# Altium PCB thermal_cam_sensor_jlc.PcbDoc (part 4 of 5) (continued)
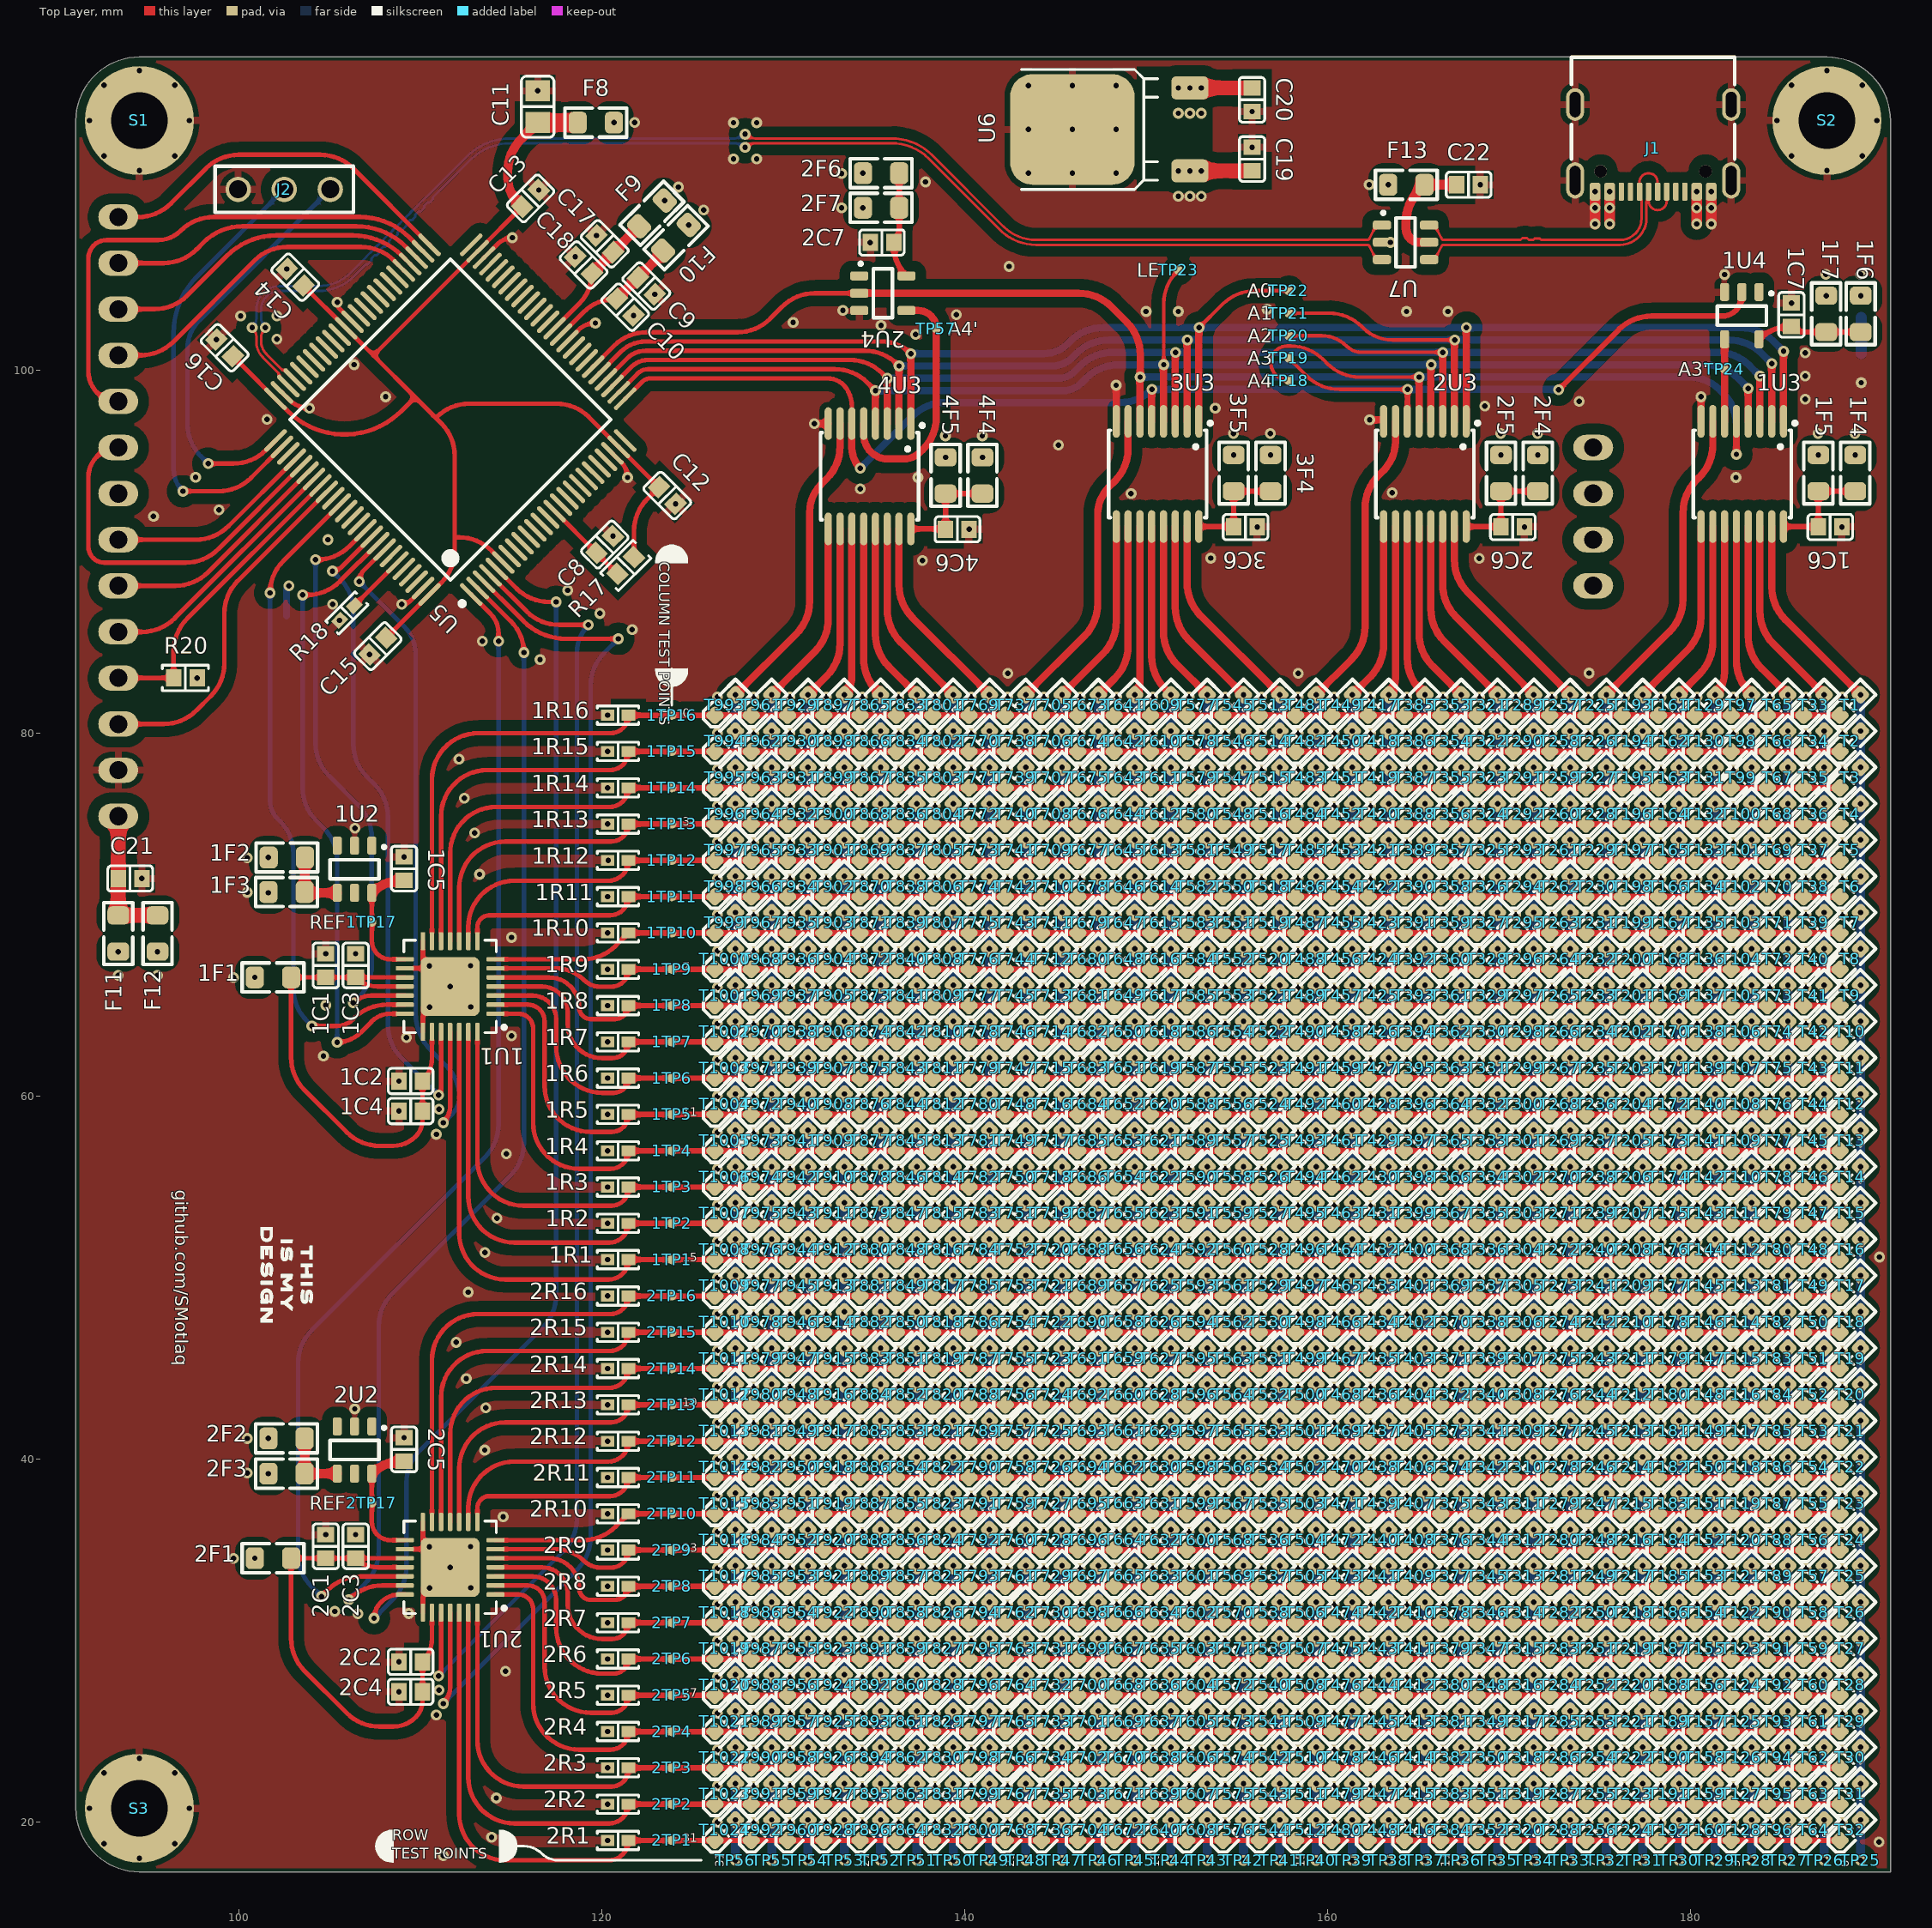
[diagram p0: Top Layer view]
## Nets (pads, with @x,y where several pads share a name; then routed paths per layer and width w, separated by ;. In a path a pad name is that pad's centre, name@x,y a point inside that pad or via, vN(x,y) a via of type N, cw(c..) or ccw(c..) an arc to the next point about the centre after c; other vN are vias at no path point) (continued)
  other v1: 111.252,18.161 190.373,18.923 120.312,19.002 113.919,19.177 126.357,20.006 128.357,20.006 130.357,20.006 132.357,20.006 134.357,20.006 136.357,20.006 138.357,20.006 140.357,20.006 142.357,20.006 144.357,20.006 146.357,20.006 148.357,20.006 150.357,20.006 152.357,20.006 154.357,20.006 156.357,20.006 158.357,20.006 160.357,20.006 162.357,20.006 164.357,20.006 166.357,20.006 168.357,20.006 170.357,20.006 172.357,20.006 174.357,20.006 176.357,20.006 178.357,20.006 180.357,20.006 182.357,20.006 184.357,20.006 186.357,20.006 188.357,20.006 120.312,21.002 114.173,21.336 126.357,22.006 128.357,22.006 130.357,22.006 132.357,22.006 134.357,22.006 136.357,22.006 138.357,22.006 140.357,22.006 142.357,22.006 144.357,22.006 146.357,22.006 148.357,22.006 150.357,22.006 152.357,22.006 154.357,22.006 156.357,22.006 158.357,22.006 160.357,22.006 162.357,22.006 164.357,22.006 166.357,22.006 168.357,22.006 170.357,22.006 172.357,22.006 174.357,22.006 176.357,22.006 178.357,22.006 180.357,22.006 182.357,22.006 184.357,22.006 186.357,22.006 188.357,22.006 120.312,23.002 126.357,24.006 128.357,24.006 130.357,24.006 132.357,24.006 134.357,24.006 136.357,24.006 138.357,24.006 140.357,24.006 142.357,24.006 144.357,24.006 146.357,24.006 148.357,24.006 150.357,24.006 152.357,24.006 154.357,24.006 156.357,24.006 158.357,24.006 160.357,24.006 162.357,24.006 164.357,24.006 166.357,24.006 168.357,24.006 170.357,24.006 172.357,24.006 174.357,24.006 176.357,24.006 178.357,24.006 180.357,24.006 182.357,24.006 184.357,24.006 186.357,24.006 188.357,24.006 120.312,25.002 110.871,25.908 126.357,26.006 128.357,26.006 130.357,26.006 132.357,26.006 134.357,26.006 136.357,26.006 138.357,26.006 140.357,26.006 142.357,26.006 144.357,26.006 146.357,26.006 148.357,26.006 150.357,26.006 152.357,26.006 154.357,26.006 156.357,26.006 158.357,26.006 160.357,26.006 162.357,26.006 164.357,26.006 166.357,26.006 168.357,26.006 170.357,26.006 172.357,26.006 174.357,26.006 176.357,26.006 178.357,26.006 180.357,26.006 182.357,26.006 184.357,26.006 186.357,26.006 188.357,26.006 120.312,27.002 108.809,27.19 111.025,27.285 126.357,28.006 128.357,28.006 130.357,28.006 132.357,28.006 134.357,28.006 136.357,28.006 138.357,28.006 140.357,28.006 142.357,28.006 144.357,28.006 146.357,28.006 148.357,28.006 150.357,28.006 152.357,28.006 154.357,28.006 156.357,28.006 158.357,28.006 160.357,28.006 162.357,28.006 164.357,28.006 166.357,28.006 168.357,28.006 170.357,28.006 172.357,28.006 174.357,28.006 176.357,28.006 178.357,28.006 180.357,28.006 182.357,28.006 184.357,28.006 186.357,28.006 188.357,28.006 114.681,28.321 108.809,28.841 120.312,29.002 126.357,30.006 128.357,30.006 130.357,30.006 132.357,30.006 134.357,30.006 136.357,30.006 138.357,30.006 140.357,30.006 142.357,30.006 144.357,30.006 146.357,30.006 148.357,30.006 150.357,30.006 152.357,30.006 154.357,30.006 156.357,30.006 158.357,30.006 160.357,30.006 162.357,30.006 164.357,30.006 166.357,30.006 168.357,30.006 170.357,30.006 172.357,30.006 174.357,30.006 176.357,30.006 178.357,30.006 180.357,30.006 182.357,30.006 184.357,30.006 186.357,30.006 188.357,30.006 120.312,31.002 106.553,31.496 109.351,31.505 105.283,31.623 126.357,32.006 128.357,32.006 130.357,32.006 132.357,32.006 134.357,32.006 136.357,32.006 138.357,32.006 140.357,32.006 142.357,32.006 144.357,32.006 146.357,32.006 148.357,32.006 150.357,32.006 152.357,32.006 154.357,32.006 156.357,32.006 158.357,32.006 160.357,32.006 162.357,32.006 164.357,32.006 166.357,32.006 168.357,32.006 170.357,32.006 172.357,32.006 174.357,32.006 176.357,32.006 178.357,32.006 180.357,32.006 182.357,32.006 184.357,32.006 186.357,32.006 188.357,32.006 110.506,32.909 112.776,32.924 120.312,33.002 126.357,34.006 128.357,34.006 130.357,34.006 132.357,34.006 134.357,34.006 136.357,34.006 138.357,34.006 140.357,34.006 142.357,34.006 144.357,34.006 146.357,34.006 148.357,34.006 150.357,34.006 152.357,34.006 154.357,34.006 156.357,34.006 158.357,34.006 160.357,34.006 162.357,34.006 164.357,34.006 166.357,34.006 168.357,34.006 170.357,34.006 172.357,34.006 174.357,34.006 176.357,34.006 178.357,34.006 180.357,34.006 182.357,34.006 184.357,34.006 186.357,34.006 188.357,34.006 111.633,34.052 99.695,34.544 120.312,35.002 110.49,35.179 112.76,35.195 104.775,35.856 106.426,35.856 126.357,36.006 128.357,36.006 130.357,36.006 132.357,36.006 134.357,36.006 136.357,36.006 138.357,36.006 140.357,36.006 142.357,36.006 144.357,36.006 146.357,36.006 148.357,36.006 150.357,36.006 152.357,36.006 154.357,36.006 156.357,36.006 158.357,36.006 160.357,36.006 162.357,36.006 164.357,36.006 166.357,36.006 168.357,36.006 170.357,36.006 172.357,36.006 174.357,36.006 176.357,36.006 178.357,36.006 180.357,36.006 182.357,36.006 184.357,36.006 186.357,36.006 188.357,36.006 114.554,36.83 120.312,37.002 126.357,38.006 128.357,38.006 130.357,38.006 132.357,38.006 134.357,38.006 136.357,38.006 138.357,38.006 140.357,38.006 142.357,38.006 144.357,38.006 146.357,38.006 148.357,38.006 150.357,38.006 152.357,38.006 154.357,38.006 156.357,38.006 158.357,38.006 160.357,38.006 162.357,38.006 164.357,38.006 166.357,38.006 168.357,38.006 170.357,38.006 172.357,38.006 174.357,38.006 176.357,38.006 178.357,38.006 180.357,38.006 182.357,38.006 184.357,38.006 186.357,38.006 188.357,38.006 120.312,39.002 100.457,39.243 126.357,40.006 128.357,40.006 130.357,40.006 132.357,40.006 134.357,40.006 136.357,40.006 138.357,40.006 140.357,40.006 142.357,40.006 144.357,40.006 146.357,40.006 148.357,40.006 150.357,40.006 152.357,40.006 154.357,40.006 156.357,40.006 158.357,40.006 160.357,40.006 162.357,40.006 164.357,40.006 166.357,40.006 168.357,40.006 170.357,40.006 172.357,40.006 174.357,40.006 176.357,40.006 178.357,40.006 180.357,40.006 182.357,40.006 184.357,40.006 186.357,40.006 188.357,40.006 113.538,40.513 120.312,41.002 100.457,41.148 109.093,41.194 126.357,42.006 128.357,42.006 130.357,42.006 132.357,42.006 134.357,42.006 136.357,42.006 138.357,42.006 140.357,42.006 142.357,42.006 144.357,42.006 146.357,42.006 148.357,42.006 150.357,42.006 152.357,42.006 154.357,42.006 156.357,42.006 158.357,42.006 160.357,42.006 162.357,42.006 164.357,42.006 166.357,42.006 168.357,42.006 170.357,42.006 172.357,42.006 174.357,42.006 176.357,42.006 178.357,42.006 180.357,42.006 182.357,42.006 184.357,42.006 186.357,42.006 188.357,42.006 106.372,42.78 113.59,42.842 120.312,43.002 126.357,44.006 128.357,44.006 130.357,44.006 132.357,44.006 134.357,44.006 136.357,44.006 138.357,44.006 140.357,44.006 142.357,44.006 144.357,44.006 146.357,44.006 148.357,44.006 150.357,44.006 152.357,44.006 154.357,44.006 156.357,44.006 158.357,44.006 160.357,44.006 162.357,44.006 164.357,44.006 166.357,44.006 168.357,44.006 170.357,44.006 172.357,44.006 174.357,44.006 176.357,44.006 178.357,44.006 180.357,44.006 182.357,44.006 184.357,44.006 186.357,44.006 188.357,44.006 112.522,44.45 120.312,45.002 126.357,46.006 128.357,46.006 130.357,46.006 132.357,46.006 134.357,46.006 136.357,46.006 138.357,46.006 140.357,46.006 142.357,46.006 144.357,46.006 146.357,46.006 148.357,46.006 150.357,46.006 152.357,46.006 154.357,46.006 156.357,46.006 158.357,46.006 160.357,46.006 162.357,46.006 164.357,46.006 166.357,46.006 168.357,46.006 170.357,46.006 172.357,46.006 174.357,46.006 176.357,46.006 178.357,46.006 180.357,46.006 182.357,46.006 184.357,46.006 186.357,46.006 188.357,46.006 111.96,46.449 120.312,47.002 126.357,48.006 128.357,48.006 130.357,48.006 132.357,48.006 134.357,48.006 136.357,48.006 138.357,48.006 140.357,48.006 142.357,48.006 144.357,48.006 146.357,48.006 148.357,48.006 150.357,48.006 152.357,48.006 154.357,48.006 156.357,48.006 158.357,48.006 160.357,48.006 162.357,48.006 164.357,48.006 166.357,48.006 168.357,48.006 170.357,48.006 172.357,48.006 174.357,48.006 176.357,48.006 178.357,48.006 180.357,48.006 182.357,48.006 184.357,48.006 186.357,48.006 188.357,48.006 120.312,49.002 112.621,49.213 126.357,50.006 128.357,50.006 130.357,50.006 132.357,50.006 134.357,50.006 136.357,50.006 138.357,50.006 140.357,50.006 142.357,50.006 144.357,50.006 146.357,50.006 148.357,50.006 150.357,50.006 152.357,50.006 154.357,50.006 156.357,50.006 158.357,50.006 160.357,50.006 162.357,50.006 164.357,50.006 166.357,50.006 168.357,50.006 170.357,50.006 172.357,50.006 174.357,50.006 176.357,50.006 178.357,50.006 180.357,50.006 182.357,50.006 184.357,50.006 186.357,50.006 188.357,50.006 120.312,51.006 190.406,51.151 113.546,51.396 126.357,52.01 128.357,52.01 130.357,52.01 132.357,52.01 134.357,52.01 136.357,52.01 138.357,52.01 140.357,52.01 142.357,52.01 144.357,52.01 146.357,52.01 148.357,52.01 150.357,52.01 152.357,52.01 154.357,52.01 156.357,52.01 158.357,52.01 160.357,52.01 162.357,52.01 164.357,52.01 166.357,52.01 168.357,52.01 170.357,52.01 172.357,52.01 174.357,52.01 176.357,52.01 178.357,52.01 180.357,52.01 182.357,52.01 184.357,52.01 186.357,52.01 188.357,52.01 120.312,53.006 114.216,53.284 126.357,54.01 128.357,54.01 130.357,54.01 132.357,54.01 134.357,54.01 136.357,54.01 138.357,54.01 140.357,54.01 142.357,54.01 144.357,54.01 146.357,54.01 148.357,54.01 150.357,54.01 152.357,54.01 154.357,54.01 156.357,54.01 158.357,54.01 160.357,54.01 162.357,54.01 164.357,54.01 166.357,54.01 168.357,54.01 170.357,54.01 172.357,54.01 174.357,54.01 176.357,54.01 178.357,54.01 180.357,54.01 182.357,54.01 184.357,54.01 186.357,54.01 188.357,54.01 120.312,55.006 126.357,56.01 128.357,56.01 130.357,56.01 132.357,56.01 134.357,56.01 136.357,56.01 138.357,56.01 140.357,56.01 142.357,56.01 144.357,56.01 146.357,56.01 148.357,56.01 150.357,56.01 152.357,56.01 154.357,56.01 156.357,56.01 158.357,56.01 160.357,56.01 162.357,56.01 164.357,56.01 166.357,56.01 168.357,56.01 170.357,56.01 172.357,56.01 174.357,56.01 176.357,56.01 178.357,56.01 180.357,56.01 182.357,56.01 184.357,56.01 186.357,56.01 188.357,56.01 114.727,56.836 120.312,57.006 110.871,57.912 126.357,58.01 128.357,58.01 130.357,58.01 132.357,58.01 134.357,58.01 136.357,58.01 138.357,58.01 140.357,58.01 142.357,58.01 144.357,58.01 146.357,58.01 148.357,58.01 150.357,58.01 152.357,58.01 154.357,58.01 156.357,58.01 158.357,58.01 160.357,58.01 162.357,58.01 164.357,58.01 166.357,58.01 168.357,58.01 170.357,58.01 172.357,58.01 174.357,58.01 176.357,58.01 178.357,58.01 180.357,58.01 182.357,58.01 184.357,58.01 186.357,58.01 188.357,58.01 120.312,59.006 108.809,59.194 111.025,59.289 126.357,60.01 128.357,60.01 130.357,60.01 132.357,60.01 134.357,60.01 136.357,60.01 138.357,60.01 140.357,60.01 142.357,60.01 144.357,60.01 146.357,60.01 148.357,60.01 150.357,60.01 152.357,60.01 154.357,60.01 156.357,60.01 158.357,60.01 160.357,60.01 162.357,60.01 164.357,60.01 166.357,60.01 168.357,60.01 170.357,60.01 172.357,60.01 174.357,60.01 176.357,60.01 178.357,60.01 180.357,60.01 182.357,60.01 184.357,60.01 186.357,60.01 188.357,60.01 108.809,60.845 120.312,61.006 126.357,62.01 128.357,62.01 130.357,62.01 132.357,62.01 134.357,62.01 136.357,62.01 138.357,62.01 140.357,62.01 142.357,62.01 144.357,62.01 146.357,62.01 148.357,62.01 150.357,62.01 152.357,62.01 154.357,62.01 156.357,62.01 158.357,62.01 160.357,62.01 162.357,62.01 164.357,62.01 166.357,62.01 168.357,62.01 170.357,62.01 172.357,62.01 174.357,62.01 176.357,62.01 178.357,62.01 180.357,62.01 182.357,62.01 184.357,62.01 186.357,62.01 188.357,62.01 104.648,62.23 120.312,63.006 109.22,63.246 115.02,63.335 126.357,64.01 128.357,64.01 130.357,64.01 132.357,64.01 134.357,64.01 136.357,64.01 138.357,64.01 140.357,64.01 142.357,64.01 144.357,64.01 146.357,64.01 148.357,64.01 150.357,64.01 152.357,64.01 154.357,64.01 156.357,64.01 158.357,64.01 160.357,64.01 162.357,64.01 164.357,64.01 166.357,64.01 168.357,64.01 170.357,64.01 172.357,64.01 174.357,64.01 176.357,64.01 178.357,64.01 180.357,64.01 182.357,64.01 184.357,64.01 186.357,64.01 188.357,64.01 112.776,64.928 120.312,65.006 104.775,65.024 126.357,66.01 128.357,66.01 130.357,66.01 132.357,66.01 134.357,66.01 136.357,66.01 138.357,66.01 140.357,66.01 142.357,66.01 144.357,66.01 146.357,66.01 148.357,66.01 150.357,66.01 152.357,66.01 154.357,66.01 156.357,66.01 158.357,66.01 160.357,66.01 162.357,66.01 164.357,66.01 166.357,66.01 168.357,66.01 170.357,66.01 172.357,66.01 174.357,66.01 176.357,66.01 178.357,66.01 180.357,66.01 182.357,66.01 184.357,66.01 186.357,66.01 188.357,66.01 111.633,66.056 99.695,66.548 93.345,66.675 95.504,66.675 120.312,67.006 112.76,67.199 104.775,67.86 106.426,67.86 126.357,68.01 128.357,68.01 130.357,68.01 132.357,68.01 134.357,68.01 136.357,68.01 138.357,68.01 140.357,68.01 142.357,68.01 144.357,68.01 146.357,68.01 148.357,68.01 150.357,68.01 152.357,68.01 154.357,68.01 156.357,68.01 158.357,68.01 160.357,68.01 162.357,68.01 164.357,68.01 166.357,68.01 168.357,68.01 170.357,68.01 172.357,68.01 174.357,68.01 176.357,68.01 178.357,68.01 180.357,68.01 182.357,68.01 184.357,68.01 186.357,68.01 188.357,68.01 115.017,68.76 120.312,69.006 126.357,70.01 128.357,70.01 130.357,70.01 132.357,70.01 134.357,70.01 136.357,70.01 138.357,70.01 140.357,70.01 142.357,70.01 144.357,70.01 146.357,70.01 148.357,70.01 150.357,70.01 152.357,70.01 154.357,70.01 156.357,70.01 158.357,70.01 160.357,70.01 162.357,70.01 164.357,70.01 166.357,70.01 168.357,70.01 170.357,70.01 172.357,70.01 174.357,70.01 176.357,70.01 178.357,70.01 180.357,70.01 182.357,70.01 184.357,70.01 186.357,70.01 188.357,70.01 120.312,71.006 100.457,71.247 94.645,72.009 126.357,72.01 128.357,72.01 130.357,72.01 132.357,72.01 134.357,72.01 136.357,72.01 138.357,72.01 140.357,72.01 142.357,72.01 144.357,72.01 146.357,72.01 148.357,72.01 150.357,72.01 152.357,72.01 154.357,72.01 156.357,72.01 158.357,72.01 160.357,72.01 162.357,72.01 164.357,72.01 166.357,72.01 168.357,72.01 170.357,72.01 172.357,72.01 174.357,72.01 176.357,72.01 178.357,72.01 180.357,72.01 182.357,72.01 184.357,72.01 186.357,72.01 188.357,72.01 113.254,72.233 120.346,73.002 100.457,73.152 109.093,73.198 126.357,74.01 128.357,74.01 130.357,74.01 132.357,74.01 134.357,74.01 136.357,74.01 138.357,74.01 140.357,74.01 142.357,74.01 144.357,74.01 146.357,74.01 148.357,74.01 150.357,74.01 152.357,74.01 154.357,74.01 156.357,74.01 158.357,74.01 160.357,74.01 162.357,74.01 164.357,74.01 166.357,74.01 168.357,74.01 170.357,74.01 172.357,74.01 174.357,74.01 176.357,74.01 178.357,74.01 180.357,74.01 182.357,74.01 184.357,74.01 186.357,74.01 188.357,74.01 112.982,74.524 106.38,74.778 120.312,75.006 126.357,76.01 128.357,76.01 130.357,76.01 132.357,76.01 134.357,76.01 136.357,76.01 138.357,76.01 140.357,76.01 142.357,76.01 144.357,76.01 146.357,76.01 148.357,76.01 150.357,76.01 152.357,76.01 154.357,76.01 156.357,76.01 158.357,76.01 160.357,76.01 162.357,76.01 164.357,76.01 166.357,76.01 168.357,76.01 170.357,76.01 172.357,76.01 174.357,76.01 176.357,76.01 178.357,76.01 180.357,76.01 182.357,76.01 184.357,76.01 186.357,76.01 188.357,76.01 112.41,76.438 120.312,77.006 126.357,78.01 128.357,78.01 130.357,78.01 132.357,78.01 134.357,78.01 136.357,78.01 138.357,78.01 140.357,78.01 142.357,78.01 144.357,78.01 146.357,78.01 148.357,78.01 150.357,78.01 152.357,78.01 154.357,78.01 156.357,78.01 158.357,78.01 160.357,78.01 162.357,78.01 164.357,78.01 166.357,78.01 168.357,78.01 170.357,78.01 172.357,78.01 174.357,78.01 176.357,78.01 178.357,78.01 180.357,78.01 182.357,78.01 184.357,78.01 186.357,78.01 188.357,78.01 112.123,78.578 120.312,79.006 126.357,80.01 128.357,80.01 130.357,80.01 132.357,80.01 134.357,80.01 136.357,80.01 138.357,80.01 140.357,80.01 142.357,80.01 144.357,80.01 146.357,80.01 148.357,80.01 150.357,80.01 152.357,80.01 154.357,80.01 156.357,80.01 158.357,80.01 160.357,80.01 162.357,80.01 164.357,80.01 166.357,80.01 168.357,80.01 170.357,80.01 172.357,80.01 174.357,80.01 176.357,80.01 178.357,80.01 180.357,80.01 182.357,80.01 184.357,80.01 186.357,80.01 188.357,80.01 120.312,81.006 126.357,82.01 128.357,82.01 130.357,82.01 132.357,82.01 134.357,82.01 136.357,82.01 138.357,82.01 140.357,82.01 142.357,82.01 144.357,82.01 146.357,82.01 148.357,82.01 150.357,82.01 152.357,82.01 154.357,82.01 156.357,82.01 158.357,82.01 160.357,82.01 162.357,82.01 164.357,82.01 166.357,82.01 168.357,82.01 170.357,82.01 172.357,82.01 174.357,82.01 176.357,82.01 178.357,82.01 180.357,82.01 182.357,82.01 184.357,82.01 186.357,82.01 188.357,82.01 142.367,83.312 158.369,83.312 174.394,83.323 116.586,84.074 107.19,84.351 113.411,85.09 121.666,85.725 105.537,86.233 119.888,86.614 105.156,87.122 118.11,87.884 137.668,89.535 168.354,89.643 153.543,89.662 104.902,90.678 120.61,90.872 140.238,91.25 156.113,91.377 170.845,91.377 188.335,91.377 95.284,91.964 98.888,92.321 124.061,92.654 149.16,93.215 163.542,93.261 134.239,93.472 97.603,94.108 137.414,94.107 182.499,94.107 145.161,95.885 138.926,96.393 140.958,96.393 154.801,96.52 156.833,96.52 169.533,96.52 171.565,96.52 187.023,96.52 189.055,96.52 101.545,97.305 153.797,97.917 168.656,98.044 173.863,98.298 186.309,98.425 108.077,98.552 189.4,99.329 186.309,99.695 106.335,100.318 186.309,100.965 98.745,101.706 102.085,101.726 137.287,101.981 135.382,102.489 130.536,102.647 100.086,102.998 102.085,102.998 121.739,103.033 139.531,103.082 149.987,103.251 151.765,103.251 164.338,103.251 166.624,103.251 133.279,103.307 156.656,103.371 185.552,103.718 122.907,104.201 181.864,105.283 187.455,105.295 189.36,105.295 102.634,105.595 142.432,105.735 118.526,106.269 134.784,107.051 163.449,107.061 119.693,107.436 125.603,108.839 133.207,108.954 174.731,108.966 181.131,108.966 151.765,109.601 152.4,109.601 153.035,109.601 116.52,109.944 124.206,110.109 162.282,110.236 168.408,110.236 137.824,110.395 133.207,110.859 143.51,110.871 145.923,110.871 148.336,110.871 127.253,111.656 128.525,111.656 155.829,112.298 143.51,113.284 145.923,113.284 148.336,113.284 121.799,113.661 127.253,113.655 128.525,113.655 151.765,114.173 152.4,114.173 153.035,114.173 155.829,114.27 116.459,115.415 143.51,115.697 145.923,115.697 148.336,115.697
  other v2: 94.508,18.022 92.563,18.827 96.453,18.827 91.758,20.772 97.258,20.772 92.563,22.717 96.453,22.717 94.508,23.522 94.508,111.022 187.508,111.022 92.563,111.827 96.453,111.827 185.563,111.827 189.453,111.827 91.758,113.772 97.258,113.772 184.758,113.772 190.258,113.772 92.563,115.717 96.453,115.717 185.563,115.717 189.453,115.717 94.508,116.522 187.508,116.522
LE: 1U3.4 2U3.4 3U3.4 4U3.4 TP23.0 U5.27 | length 79.3
  Top Layer w0.2: v1(150.963,100.319) 150.963,103.683 cw(c153.503,103.683) 151.707,105.479 TP23.0@151.765,105.537
  Top Layer w0.25: U5.27@120.926,98.794 121.963,99.831 cw(c122.555,99.239) 122.555,100.076 132.831,100.076 cw(c132.831,97.536) 134.627,99.332 v1(135.072,98.887)
  Top Layer w0.4: 4U3.4@135.072,97.071 v1(135.072,98.887) ; 3U3.4@150.947,97.198 150.947,100.28 cw(c151.002,100.28) v1(150.963,100.319) ; 2U3.4@165.679,97.198 165.679,100.28 cw(c165.734,100.28) v1(165.695,100.319) ; 1U3.4@183.169,97.198 v1(183.169,99.014)
  Bottom Layer w0.4: v1(135.072,98.887) 145.4,98.887 ccw(c145.4,100.345) 146.431,99.314 146.692,99.575 cw(c148.488,97.779) 148.488,100.319 v1(150.963,100.319) v1(165.695,100.319) 180.812,100.319 cw(c180.812,97.779) 182.608,99.575 v1(183.169,99.014)
MISO1: 1U1.24 U5.91 | length 37.3
  Top Layer w0.25: v1(105.145,88.946) ccw(c105.145,89.613) 105.617,89.141 U5.91@107.314,90.838 ; v1(110.998,60.071) ccw(c110.672,60.397) 111.133,60.397 1U1.24@111.133,63.556
  Bottom Layer w0.25: v1(105.145,88.946) 105.555,88.535 cw(c103.759,86.739) 106.299,86.739 106.299,79.411 ccw(c108.839,79.411) 107.043,77.615 107.46,77.198 cw(c105.664,75.402) 108.204,75.402 108.204,63.917 ccw(c110.744,63.917) 108.948,62.121 v1(110.998,60.071)
MISO2: LCD1.13 U5.53 | length 17.6
  Top Layer w0.25: LCD1.13@93.345,105.918 95.849,105.918 ccw(c95.849,108.458) 97.645,106.662 98.044,107.061 cw(c100.19,104.915) 100.19,107.95 106.467,107.95 cw(c106.466,104.109) 109.182,106.825 U5.53@109.789,106.218
MISO3: LCD1.9 U5.80 | length 20.7
  Top Layer w0.25: LCD1.9@93.345,95.758 ccw(c93.345,94.107) 91.694,94.107 91.694,90.297 ccw(c92.583,90.297) 92.583,89.408 97.053,89.408 ccw(c97.053,91.948) 98.849,90.152 U5.80@103.425,94.727
MISO4: 2U1.24 U5.4 | length 71.1
  Top Layer w0.25: v1(110.998,28.067) ccw(c110.672,28.393) 111.133,28.393 2U1.24@111.133,31.552 ; U5.4@113.855,88.717 115.849,86.723 ccw(c117.645,88.519) 117.645,85.979 v1(119.253,85.979)
  Bottom Layer w0.25: v1(110.998,28.067) 117.874,34.943 ccw(c116.078,36.739) 118.618,36.739 118.618,84.446 cw(c120.786,84.446) v1(119.253,85.979)
MOSI1: 1U1.21 U5.92 | length 34.7
  Top Layer w0.25: v1(103.505,87.63) 103.761,87.63 ccw(c103.761,90.17) 105.557,88.374 U5.92@107.667,90.485 ; v1(105.404,62.983) ccw(c105.404,64.815) 106.7,63.52 107.315,64.135 cw(c108.331,63.119) 108.331,64.556 1U1.21@109.133,64.556
  Bottom Layer w0.25: v1(103.505,87.63) 103.505,76.998 ccw(c106.045,76.998) 104.249,75.202 104.66,74.791 cw(c102.864,72.995) 105.404,72.995 v1(105.404,62.983)
MOSI2: LCD1.12 U5.54 | length 18
  Top Layer w0.25: LCD1.12@93.345,103.378 95.341,103.378 ccw(c95.341,105.918) 97.137,104.122 99.332,106.317 cw(c102.048,103.601) 102.048,107.442 106.268,107.442 cw(c106.267,103.601) 108.983,106.317 U5.54@109.435,105.865
MOSI3: LCD1.6 U5.81 | length 12.9
  Top Layer w0.25: LCD1.6@93.345,88.138 96.49,88.138 ccw(c96.49,90.678) 98.286,88.882 U5.81@103.778,94.374
MOSI4: 2U1.21 U5.5 | length 66.2
  Top Layer w0.25: v1(107.442,31.242) cw(c108.668,31.242) 107.801,32.109 107.823,32.131 cw(c108.839,31.115) 108.839,32.552 2U1.21@109.133,32.552 ; U5.5@114.209,89.07 115.286,87.993 ccw(c117.082,89.789) 117.082,87.249 v1(117.475,87.249)
  Bottom Layer w0.25: v1(107.442,31.242) 108.476,32.276 ccw(c106.68,34.072) 109.22,34.072 109.22,38.699 cw(c111.76,38.699) 109.964,40.495 116.731,47.262 ccw(c114.935,49.058) 117.475,49.058 v1(117.475,87.249)
Net1C6_2: 1C6.2 1F4.2 1F5.2 1U3.16 | length 5.9
  Top Layer w0.3: 1U3.16@185.119,91.398 187.014,91.398 cw(c187.014,91.377) 1C6.2@187.035,91.377 1F5.2@187.035,93.345 1F4.2@189.067,93.345
Net1C7_2: 1C7.2 1F6.2 1F7.2 1U4.5 | length 5.9
  Top Layer w0.3: 1U4.5@183.769,101.723 cw(c185.447,100.045) 185.447,102.418 1C7.2@185.552,102.418 ccw(c186.271,103.137) 186.271,102.12 1F7.2@187.467,102.12 1F6.2@189.372,102.12
Net1F2_1: 1F2.1 1F3.1 1U2.4 | length 3.7
  Top Layer w0.5: 1F2.1@103.616,73.164 103.616,71.218 1U2.4@105.415,71.218
Net1U1_20: 1U1.20 U5.86 | length 36.3
  Top Layer w0.25: v1(101.706,87.746) cw(c104.168,87.746) 102.427,89.487 U5.86@105.546,92.606 ; v1(104.013,63.881) 105.379,63.881 ccw(c105.379,65.182) 106.299,64.262 106.349,64.312 cw(c108.145,62.516) 108.145,65.056 1U1.20@109.133,65.056
  Bottom Layer w0.25: v1(101.706,87.746) 101.706,76.281 ccw(c103.078,76.281) 102.108,75.311 102.253,75.166 cw(c100.457,73.37) 102.997,73.37 102.997,65.949 ccw(c105.537,65.949) 103.741,64.153 v1(104.013,63.881)
Net1U1_25: 1U1.25 U5.93 | length 39.5
  Top Layer w0.25: v1(106.62,88.372) cw(c107.485,88.372) 106.874,88.984 U5.93@108.021,90.131 ; v1(111.252,58.547) ccw(c110.332,59.467) 111.633,59.467 1U1.25@111.633,63.556
  Bottom Layer w0.25: v1(106.62,88.372) 109.111,85.881 cw(c107.622,84.391) 109.728,84.391 109.728,64.605 ; 109.728,64.604 ccw(c112.702,64.605) 110.599,62.502 111.423,61.678 cw(c109.688,59.944) 112.141,59.944 cw(c110.915,59.944) 111.782,59.077 v1(111.252,58.547)
Net2C6_2: 2C6.2 2F4.2 2F5.2 2U3.16 | length 5.9
  Top Layer w0.3: 2U3.16@167.629,91.398 169.494,91.398 cw(c169.494,91.326) 2C6.2@169.545,91.377 2F5.2@169.545,93.345 2F4.2@171.577,93.345
Net2C7_2: 2C7.2 2F6.2 2F7.2 2U4.5 | length 5.9
  Top Layer w0.3: 2F6.2@136.382,110.871 2F7.2@136.382,108.966 136.382,107.77 cw(c135.365,107.77) 2C7.2@136.084,107.051 136.084,106.885 ccw(c138.457,106.885) 2U4.5@136.779,105.207
Net2F2_1: 2F2.1 2F3.1 2U2.4 | length 3.7
  Top Layer w0.5: 2F2.1@103.616,41.16 2F3.1@103.616,39.214 2U2.4@105.415,39.214
Net2U1_20: 2U1.20 U5.2 | length 63.7
  Top Layer w0.25: v1(106.045,32.258) 106.095,32.308 cw(c107.891,30.512) 107.891,33.052 2U1.20@109.133,33.052 ; U5.2@113.148,88.01 114.986,86.172 cw(c113.269,84.455) v1(115.697,84.455)
  Bottom Layer w0.25: v1(106.045,32.258) 106.952,33.165 ccw(c105.156,34.961) 107.696,34.961 107.696,47.335 cw(c110.236,47.335) 108.44,49.131 114.953,55.644 ccw(c113.157,57.44) 115.697,57.44 v1(115.697,84.455)
Net2U1_25: 2U1.25 U5.3 | length 76.1
  Top Layer w0.25: v1(111.252,26.543) ccw(c110.332,27.463) 111.633,27.463 2U1.25@111.633,31.552 ; U5.3@113.502,88.363 115.279,86.586 115.681,86.184 115.682,86.183 ccw(c118.014,88.514) 118.014,85.217 ; 118.015,85.217 118.585,85.217 v1(120.904,85.217)
  Bottom Layer w0.25: v1(111.252,26.543) 118.636,33.927 ccw(c116.84,35.723) 119.38,35.723 119.38,82.641 cw(c121.92,82.641) 120.124,84.437 v1(120.904,85.217)
Net3C6_2: 3C6.2 3F4.2 3F5.2 3U3.16 | length 5.9
  Top Layer w0.3: 3U3.16@152.897,91.398 154.762,91.398 cw(c154.762,91.326) 3C6.2@154.813,91.377 3F5.2@154.813,93.345 3F4.2@156.845,93.345
Net4C6_2: 4C6.2 4F4.2 4F5.2 4U3.16 | length 5.9
  Top Layer w0.3: 4U3.16@137.022,91.271 138.887,91.271 cw(c138.887,91.199) 4C6.2@138.938,91.25 4F5.2@138.938,93.218 4F4.2@140.97,93.218
NetLCD1_3: LCD1.3 U5.84 | length 19.3
  Top Layer w0.25: LCD1.3@93.345,80.518 95.849,80.518 ccw(c95.849,83.058) 97.645,81.262 98.443,82.06 ccw(c96.647,83.856) 99.187,83.856 99.187,86.609 cw(c101.727,86.609) 99.931,88.405 U5.84@104.839,93.313
NetLCD1_4: LCD1.4 R20.1 U5.83 | length 16.9
  Top Layer w0.25: LCD1.4@93.345,83.058 R20.1@96.393,83.058 96.393,84.522 cw(c98.933,84.522) 97.137,86.318 U5.83@104.485,93.667
NetLCD1_5: LCD1.5 U5.82 | length 14.2
  Top Layer w0.25: LCD1.5@93.345,85.598 94.658,85.598 ccw(c94.658,88.138) 96.454,86.342 U5.82@104.132,94.02
NetLCD1_11: LCD1.11 U5.55 | length 18.4
  Top Layer w0.25: LCD1.11@93.345,100.838 94.697,100.838 94.815,100.849 ccw(c94.579,103.378) 96.375,101.582 100.856,106.063 cw(c102.652,104.267) 102.652,106.807 106.734,106.807 cw(c106.734,104.267) 108.53,106.063 U5.55@109.082,105.511
NetLCD1_14: LCD1.14 U5.51 | length 20.3
  Top Layer w0.25: LCD1.14@93.345,108.458 94.452,108.458 ccw(c94.452,110.998) 96.248,109.202 98.189,111.143 cw(c99.985,109.347) 99.985,111.887 104.482,111.887 cw(c104.482,109.347) 106.278,111.143 U5.51@110.496,106.926
NetLED1_1: LED1.1 R19.2 | length 2
  Bottom Layer w0.6: LED1.1@189.4,100.929 R19.2@189.4,102.923
NetR18_1: R18.1 U5.95 | length 3.4
  Top Layer w0.25: R18.1@106.35,87.046 U5.95@108.728,89.424
NetTP24_0: 1U3.6 1U4.4 TP24.0 | length 4.5
  Top Layer w0.4: 1U3.6@181.869,97.198 1U4.4@181.869,101.723
NetTP57_0: 2U4.4 4U3.5 TP57.0 | length 13.9
  Top Layer w0.4: 4U3.5@134.422,97.071 134.422,96.464 ccw(c135.763,96.464) 135.763,95.123 136.621,95.123 ccw(c136.621,96.424) 137.541,95.504 137.686,95.649 ccw(c135.89,97.445) 138.43,97.445 TP57.0@138.43,102.303 ccw(c137.426,102.303) 137.426,103.307 2U4.4@136.779,103.307
nRST: C8.2 R17.1 U5.14 | length 4.9
  Top Layer w0.25: U5.14@117.391,92.252 C8.2@119.691,89.952 R17.1@120.85,88.794
ROW0: 1U3.15 T1.1 T2.1 T3.1 T4.1 T5.1 T6.1 T7.1 T8.1 T9.1 T10.1 T11.1 T12.1 T13.1 T14.1 T15.1 T16.1 T17.1 T18.1 T19.1 T20.1 T21.1 T22.1 T23.1 T24.1 T25.1 T26.1 T27.1 T28.1 T29.1 T30.1 T31.1 T32.1 TP25.0 | length 75.4
  Top Layer w0.4: 1U3.15@184.469,91.398 184.469,88.073 ccw(c187.009,88.073) 185.213,86.277 v1(189.357,82.133)
  Bottom Layer w0.5: v1(189.357,17.907) v1(189.357,20.133) ; v1(189.357,20.133) v1(189.357,22.133) v1(189.357,24.133) v1(189.357,26.133) v1(189.357,28.133) v1(189.357,30.133) v1(189.357,32.133) v1(189.357,34.133) v1(189.357,36.133) v1(189.357,38.133) v1(189.357,40.133) v1(189.357,42.133) v1(189.357,44.133) v1(189.357,46.133) v1(189.357,48.133) v1(189.357,50.133) v1(189.357,52.133) v1(189.357,54.133) v1(189.357,56.133) v1(189.357,58.133) v1(189.357,60.133) v1(189.357,62.133) v1(189.357,64.133) v1(189.357,66.133) v1(189.357,68.133) v1(189.357,70.133) v1(189.357,72.133) v1(189.357,74.133) v1(189.357,76.133) v1(189.357,78.133) v1(189.357,80.133) v1(189.357,82.133)
ROW1: 1U3.14 T33.1 T34.1 T35.1 T36.1 T37.1 T38.1 T39.1 T40.1 T41.1 T42.1 T43.1 T44.1 T45.1 T46.1 T47.1 T48.1 T49.1 T50.1 T51.1 T52.1 T53.1 T54.1 T55.1 T56.1 T57.1 T58.1 T59.1 T60.1 T61.1 T62.1 T63.1 T64.1 TP26.0 | length 74.8
  Top Layer w0.4: 1U3.14@183.819,91.398 183.819,86.723 ccw(c186.359,86.723) 184.563,84.927 v1(187.357,82.133)
  Bottom Layer w0.5: v1(187.357,17.907) v1(187.357,20.133) ; v1(187.357,20.133) v1(187.357,22.133) v1(187.357,24.133) v1(187.357,26.133) v1(187.357,28.133) v1(187.357,30.133) v1(187.357,32.133) v1(187.357,34.133) v1(187.357,36.133) v1(187.357,38.133) v1(187.357,40.133) v1(187.357,42.133) v1(187.357,44.133) v1(187.357,46.133) v1(187.357,48.133) v1(187.357,50.133) v1(187.357,52.133) v1(187.357,54.133) v1(187.357,56.133) v1(187.357,58.133) v1(187.357,60.133) v1(187.357,62.133) v1(187.357,64.133) v1(187.357,66.133) v1(187.357,68.133) v1(187.357,70.133) v1(187.357,72.133) v1(187.357,74.133) v1(187.357,76.133) v1(187.357,78.133) v1(187.357,80.133) v1(187.357,82.133)
ROW2: 1U3.13 T65.1 T66.1 T67.1 T68.1 T69.1 T70.1 T71.1 T72.1 T73.1 T74.1 T75.1 T76.1 T77.1 T78.1 T79.1 T80.1 T81.1 T82.1 T83.1 T84.1 T85.1 T86.1 T87.1 T88.1 T89.1 T90.1 T91.1 T92.1 T93.1 T94.1 T95.1 T96.1 TP27.0 | length 74.3
  Top Layer w0.4: 1U3.13@183.169,91.398 183.169,85.373 ccw(c185.709,85.373) 183.913,83.577 v1(185.357,82.133)
  Bottom Layer w0.5: v1(185.357,17.907) v1(185.357,20.133) ; v1(185.357,20.133) v1(185.357,40.133) v1(185.357,70.133) v1(185.357,82.133)
  other v1: 185.357,22.133 185.357,24.133 185.357,26.133 185.357,28.133 185.357,30.133 185.357,32.133 185.357,34.133 185.357,36.133 185.357,38.133 185.357,42.133 185.357,44.133 185.357,46.133 185.357,48.133 185.357,50.133 185.357,52.133 185.357,54.133 185.357,56.133 185.357,58.133 185.357,60.133 185.357,62.133 185.357,64.133 185.357,66.133 185.357,68.133 185.357,72.133 185.357,74.133 185.357,76.133 185.357,78.133 185.357,80.133